# Altium PCB Simulation.PcbDoc (part 1 of 3)
Units mil, origin at the board's own origin, x right, y up, seen from the top; angles counter-clockwise.
Board outline 4400 x 4255 mil, 4 copper layers (Top Layer, Internal Plane 1, Internal Plane 2, Bottom Layer), stack 18.2 mil thick; 378 components, 286 nets, 1122 pads, 110 vias.
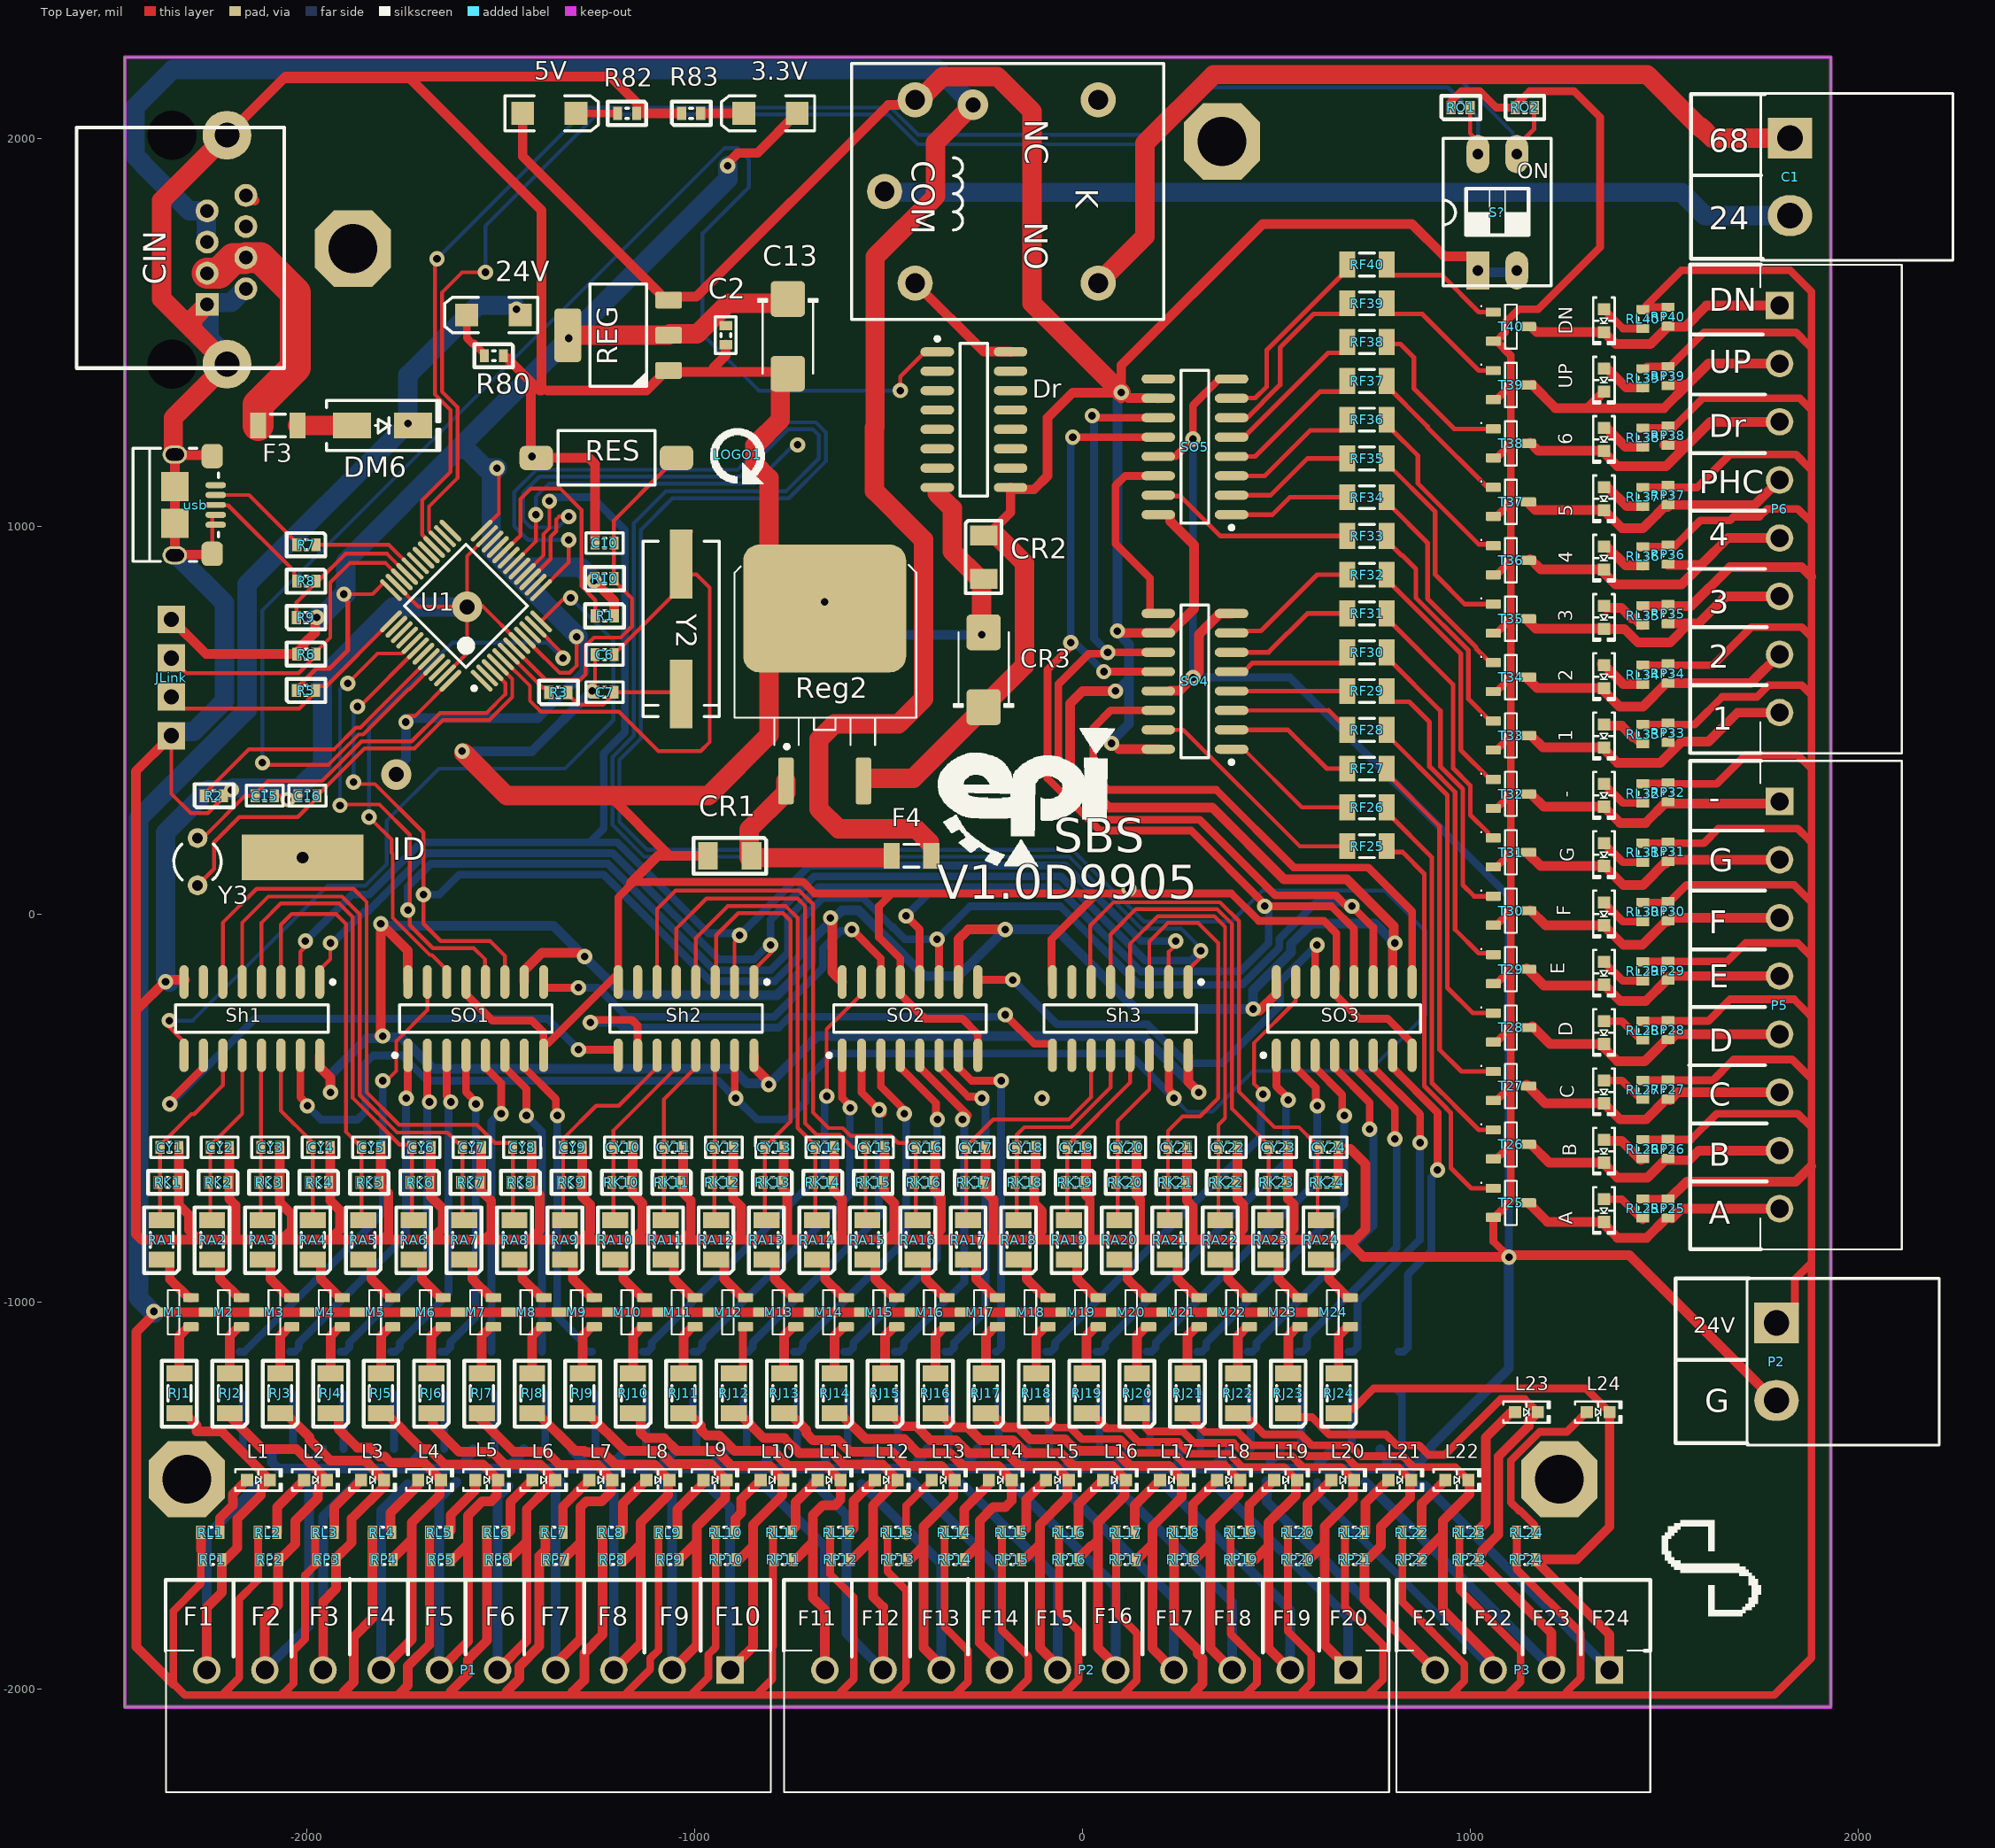
[diagram p0: Top Layer view]
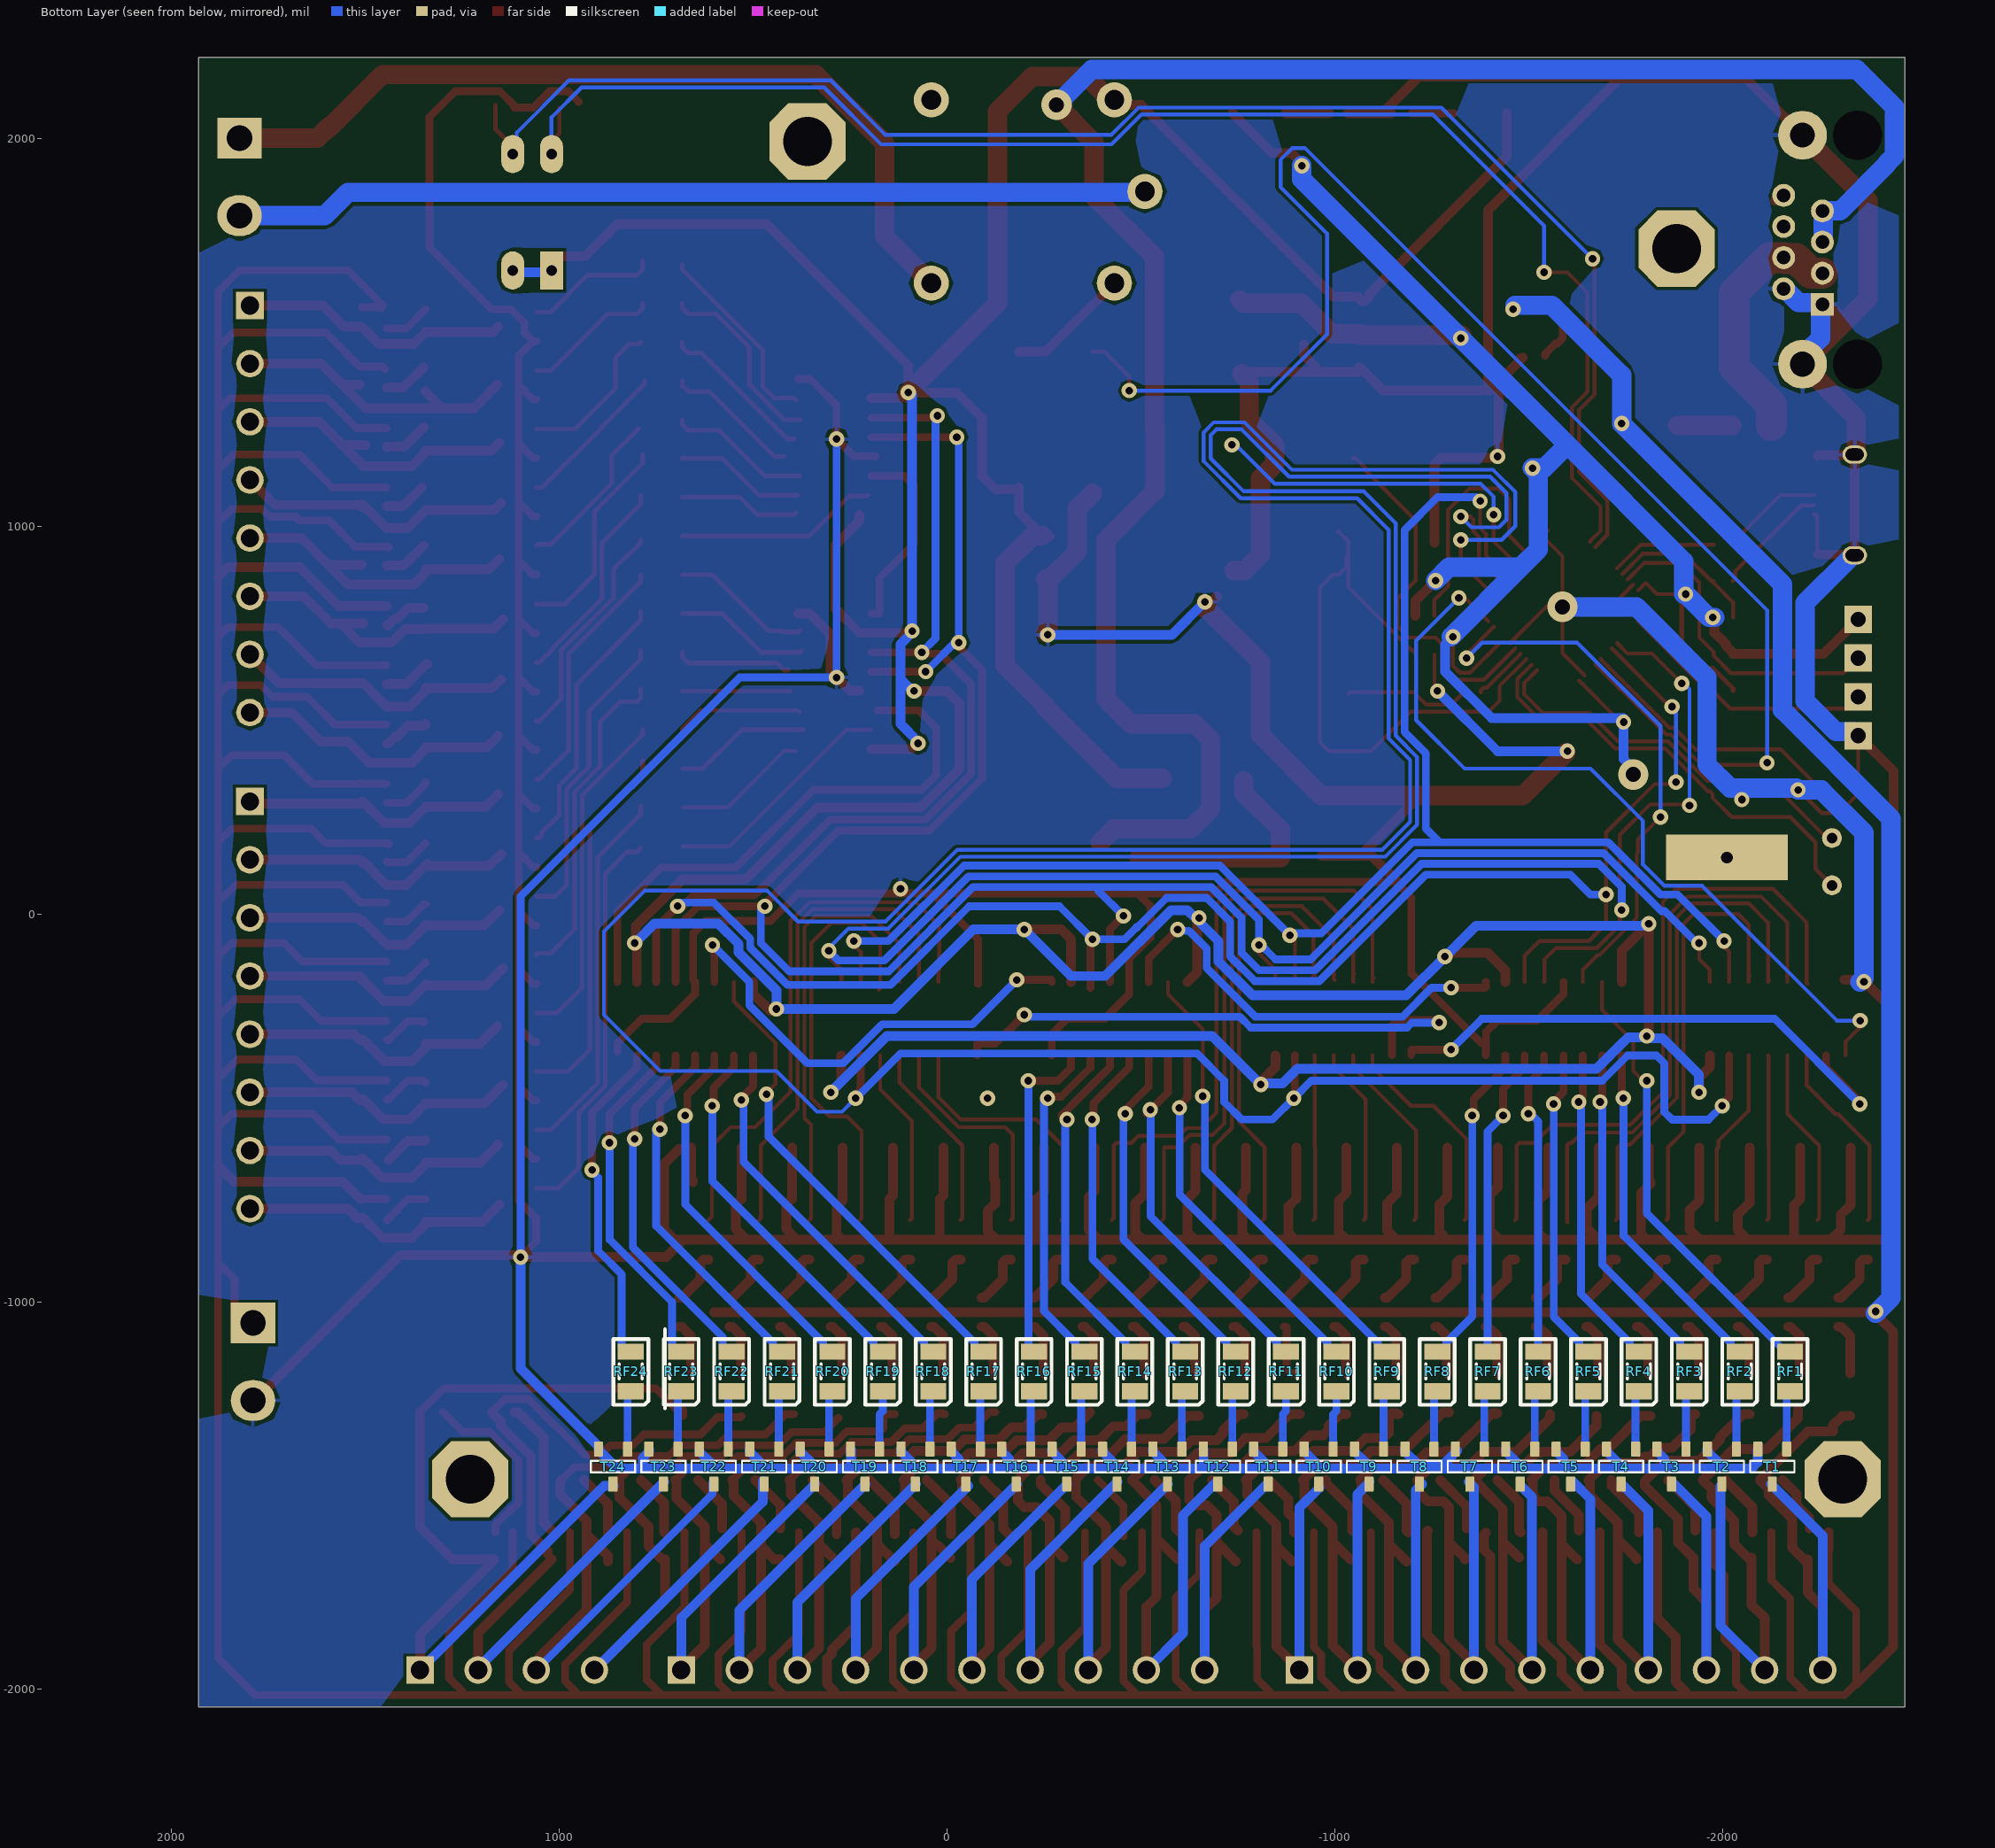
[diagram p1: Bottom Layer view, seen from below]
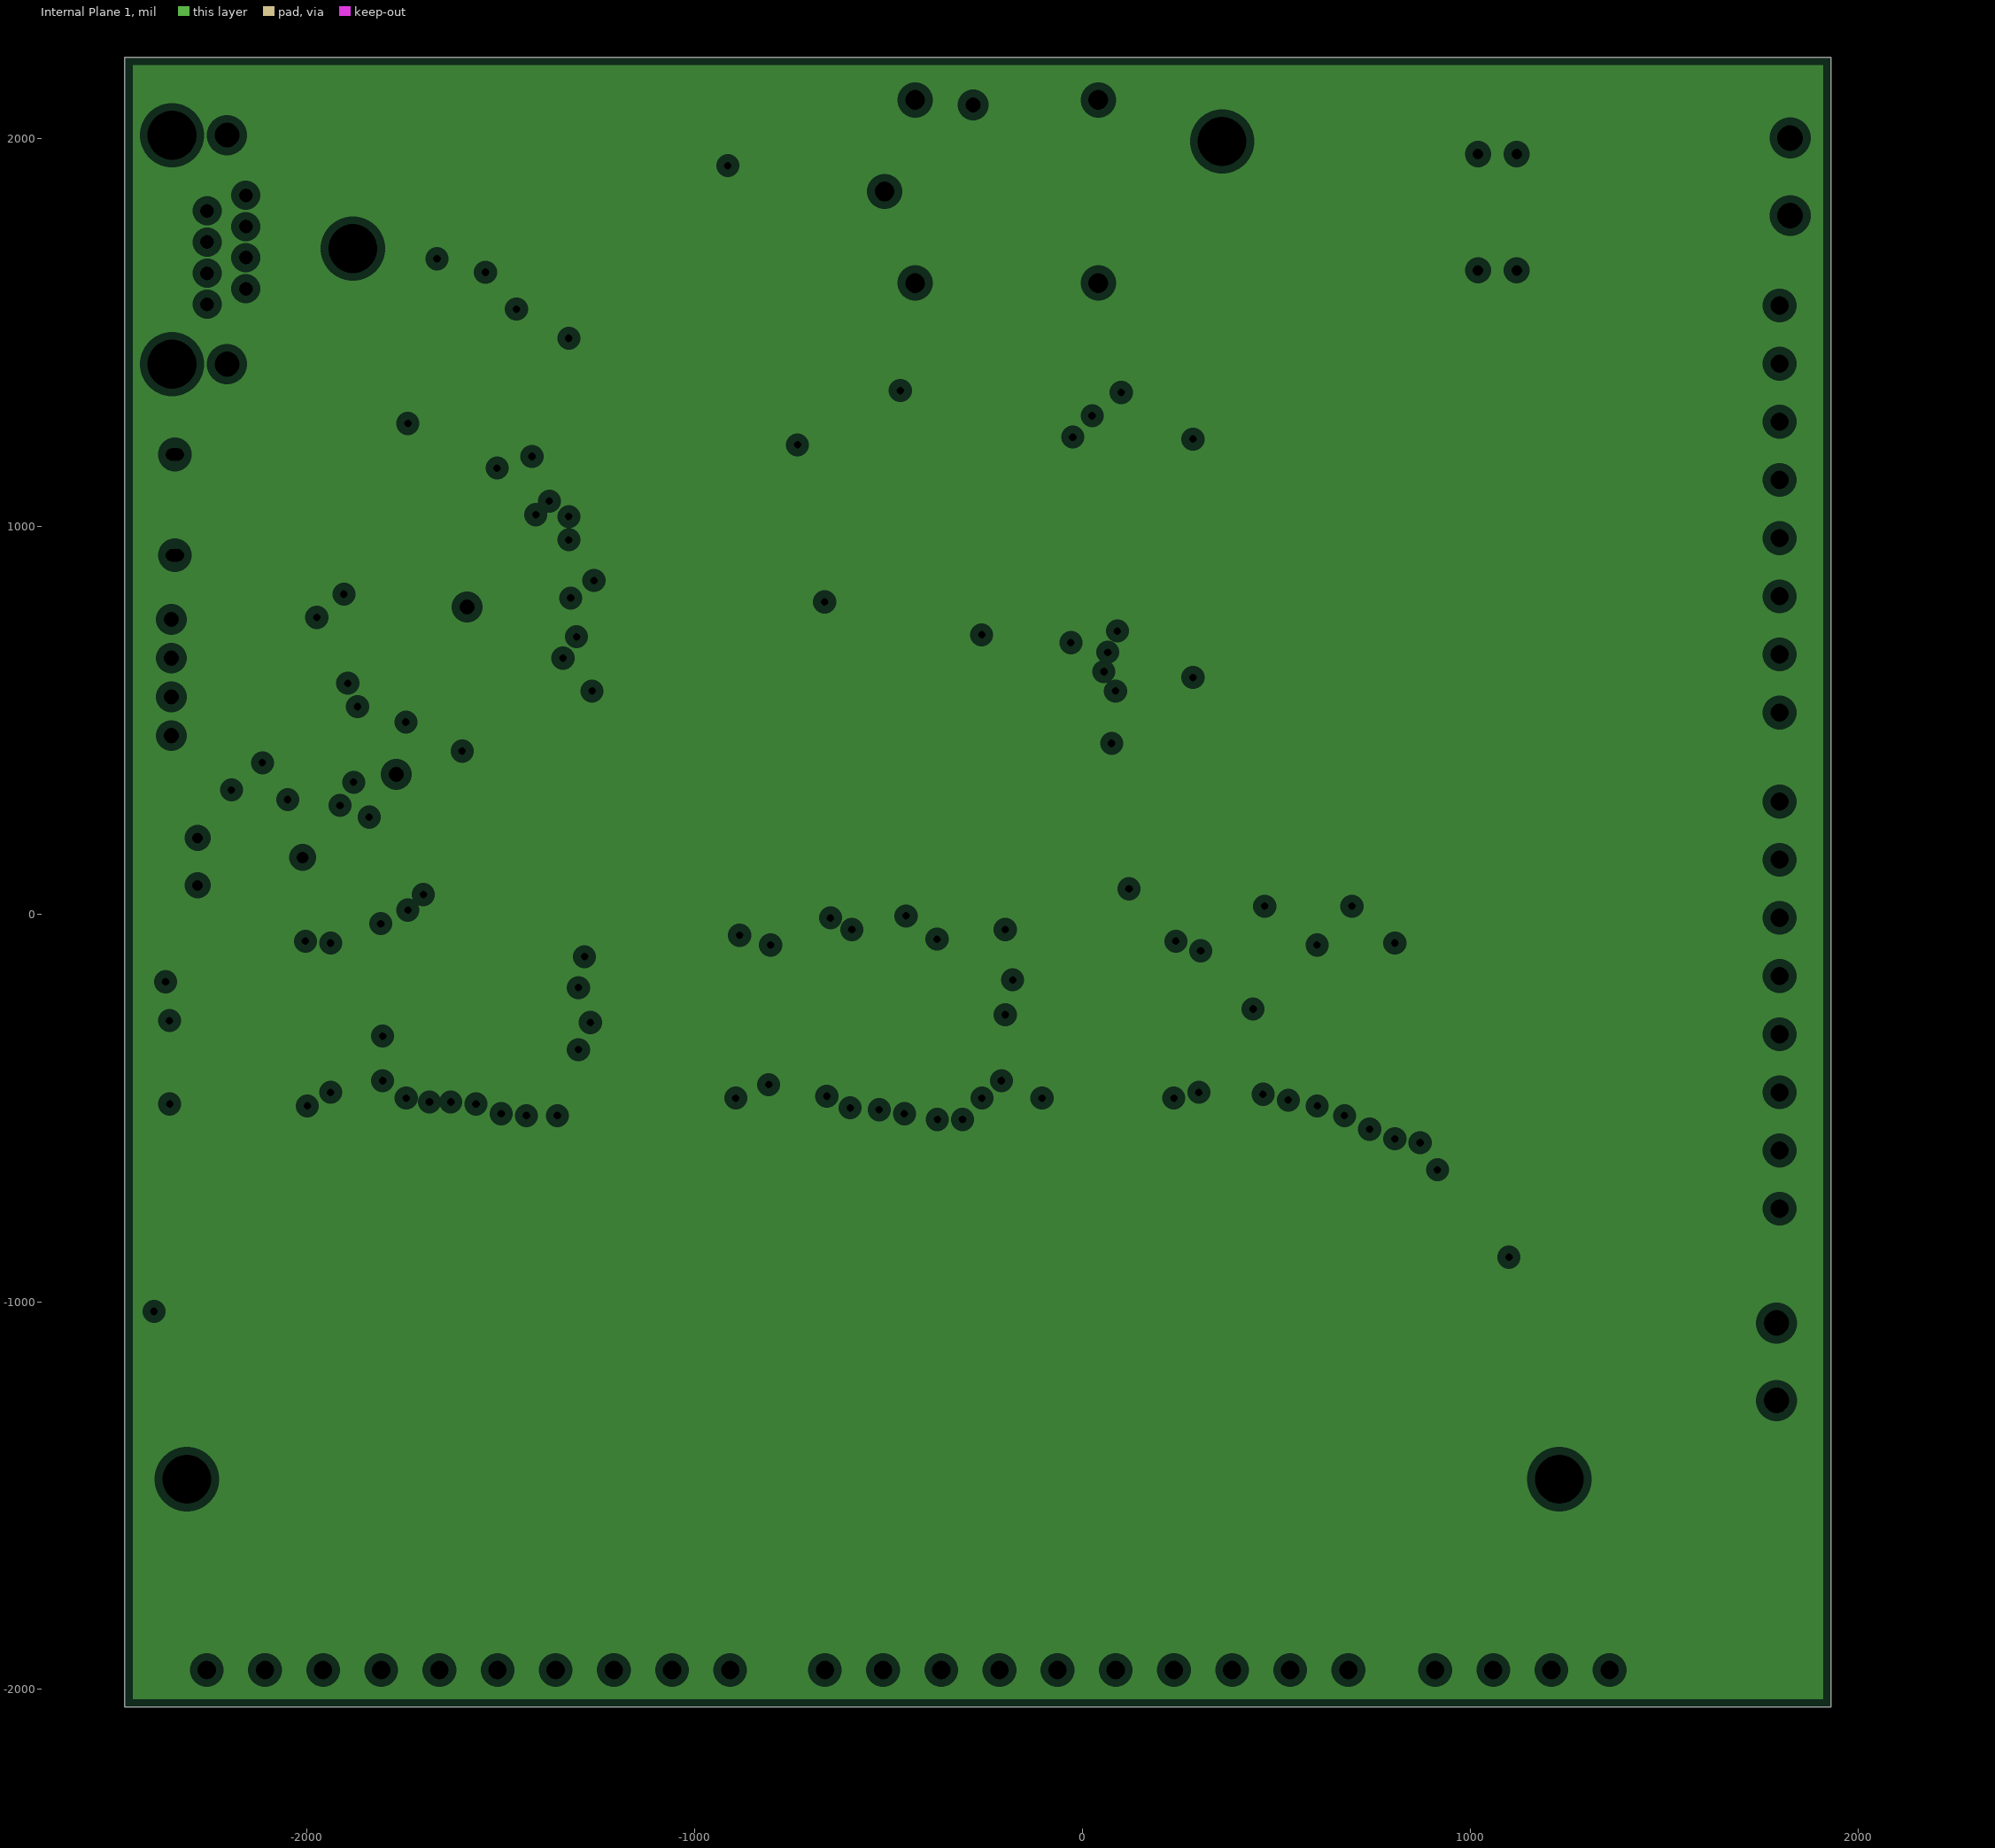
[diagram p2: Internal Plane 1, clearances drawn from the general rule]
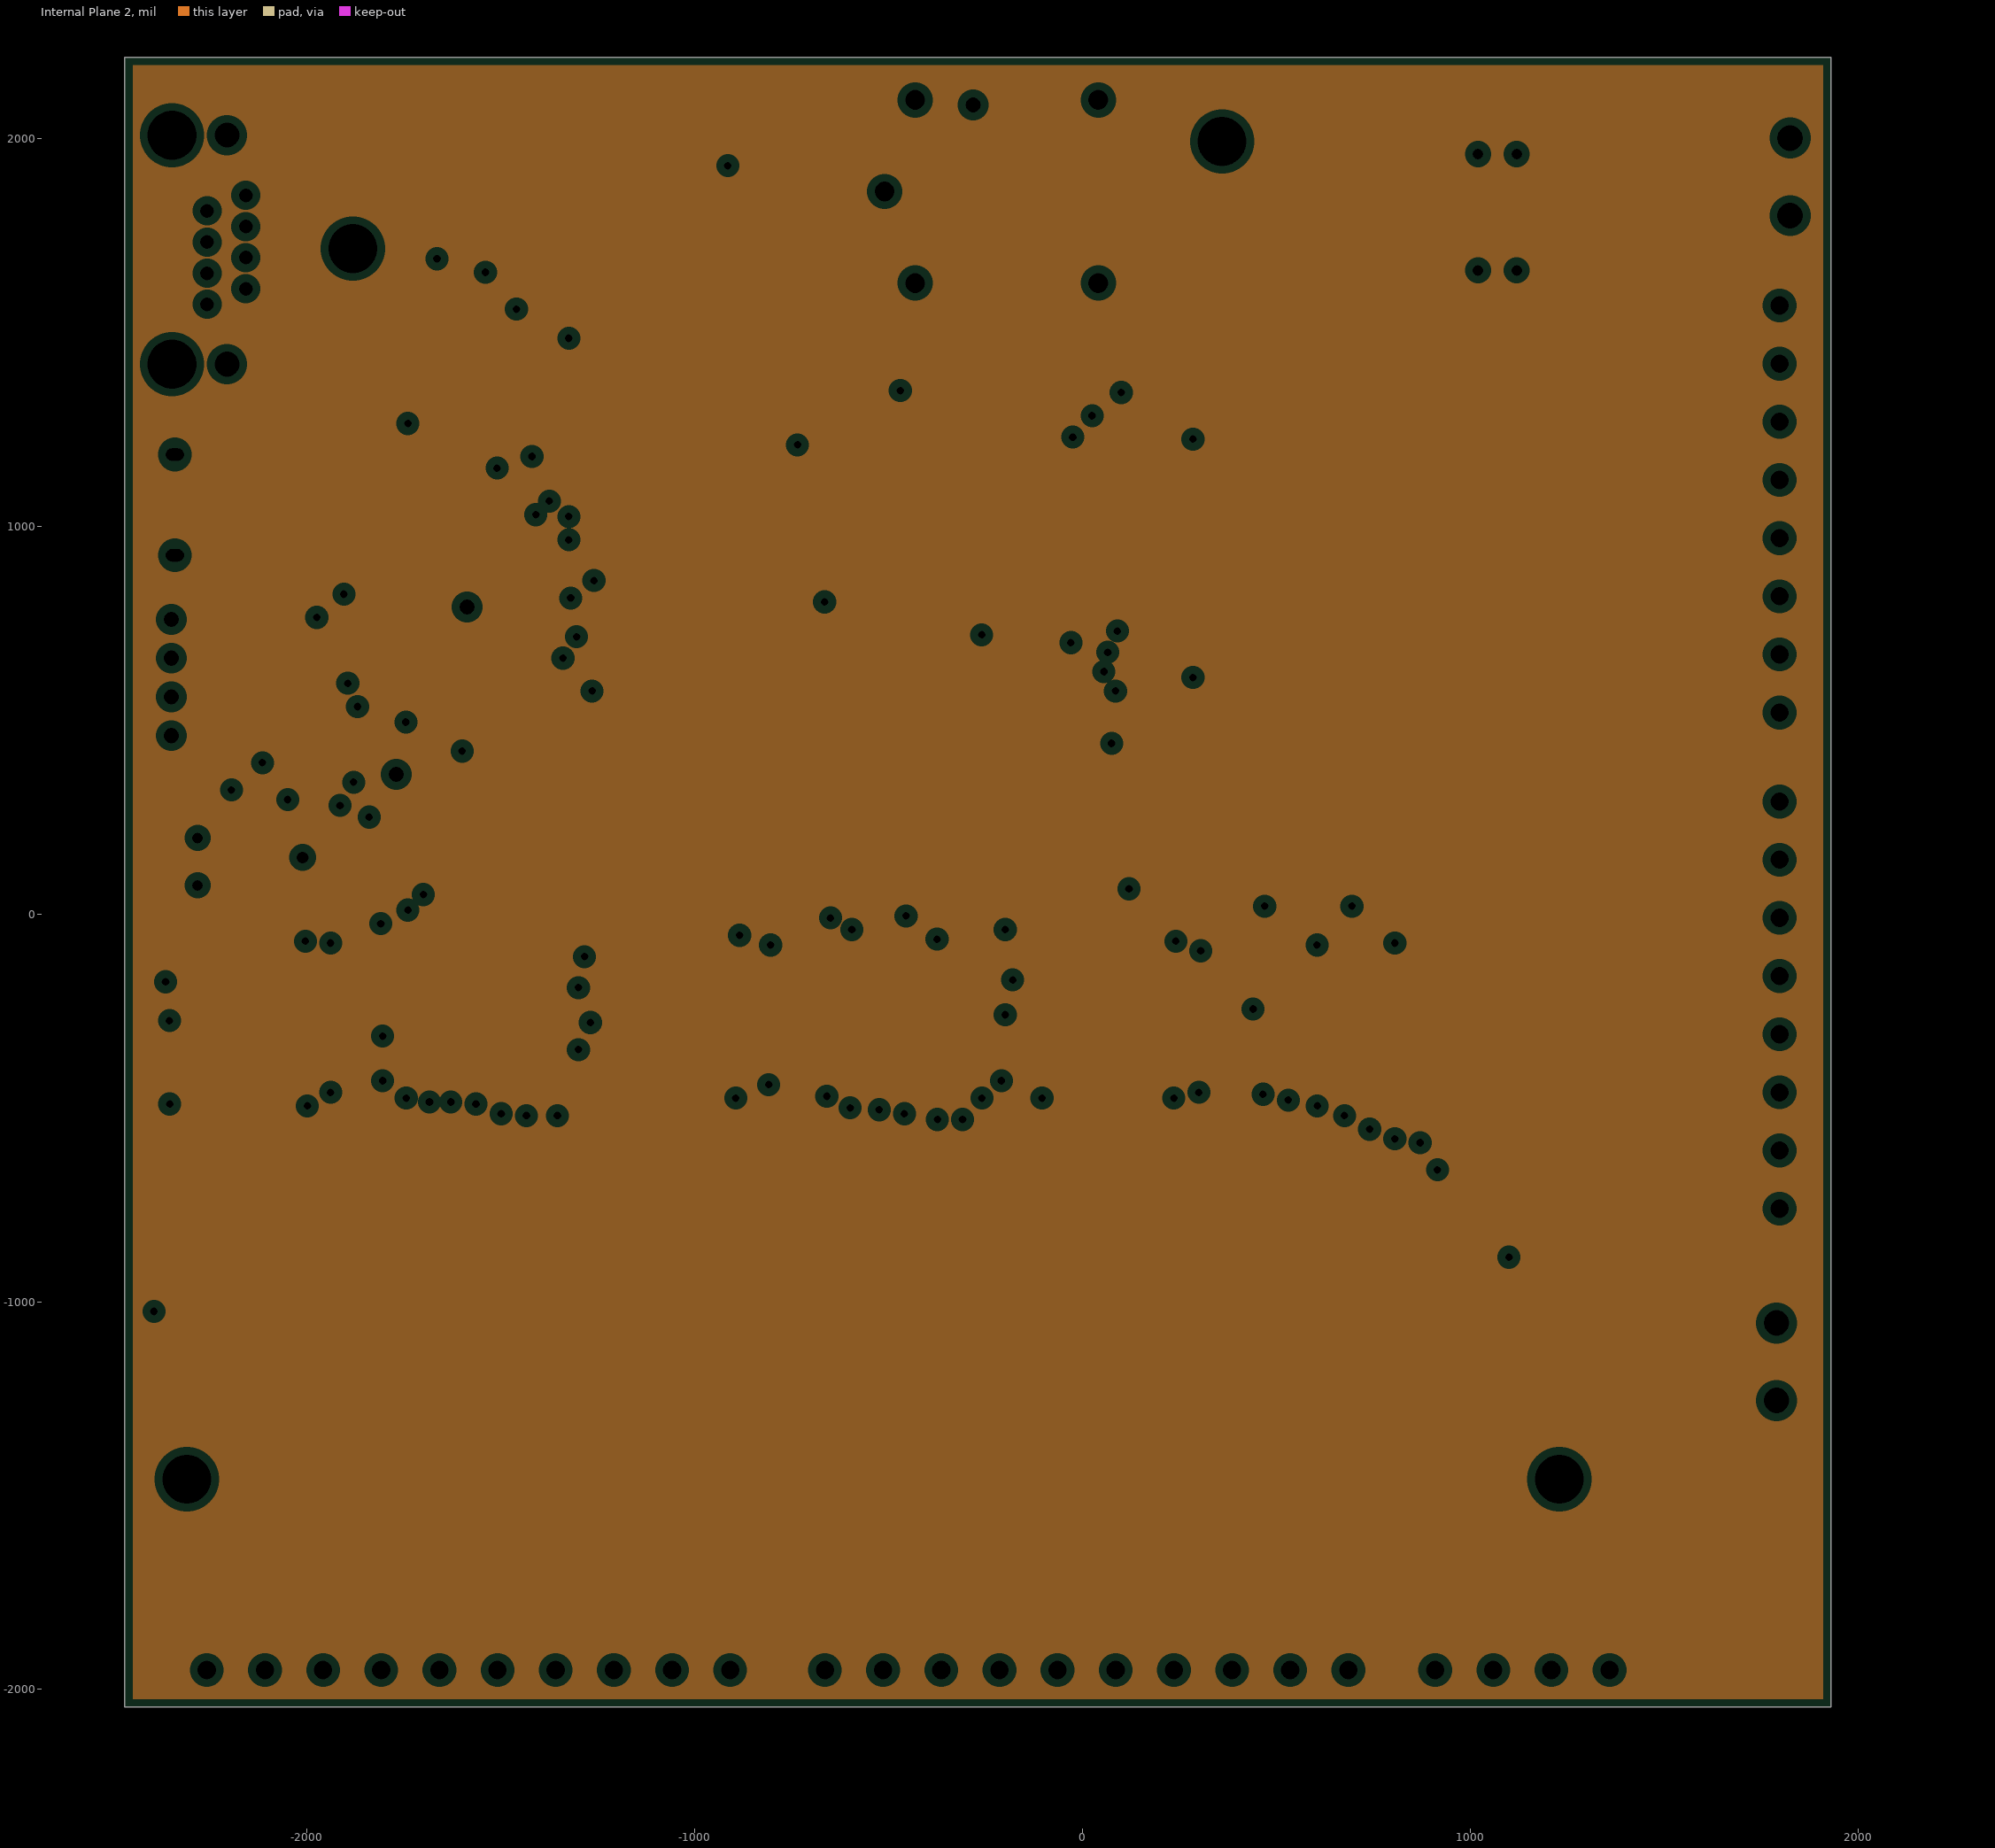
[diagram p3: Internal Plane 2, clearances drawn from the general rule]

## Layer stack, top to bottom
Top Solder: solder mask 0.4, Solder Resist, Dk 3.5
Top Layer: signal copper 1.4
Internal Plane 1: plane copper 1.4
Internal Plane 2: plane copper 1.4
Dielectric 1: dielectric 12.6, FR-4, Dk 4.8
Bottom Layer: signal copper 1.4
Bottom Solder: solder mask 0.4, Solder Resist, Dk 3.5

## Board outline
-2470,-2045 -2470,2210 1930,2210 1930,-2045

## Design rules (kind name [scope] priority, off if disabled: settings)
Clearance [All] p1: gap=7.87 ignorepadtopadclearanceinfootprint=FALSE except(0: Arc-Hole Track-Hole SMDPad-Hole THPad-Hole Via-Hole Fill-Hole Poly-Hole Region-Hole Text-Hole)
HoleSize [All] p1: absolutevalues=TRUE maxlimit=200 minlimit=1 maxpercent=80.000 minpercent=20.000
MinimumSolderMaskSliver [All] p1 off: minsoldermaskwidth=10
PlaneClearance [All] p1: clearance=20
PlaneConnect [All] p1: planeconnectstyle=Relief reliefexpansion=20 reliefentries=4 reliefconductorwidth=10 reliefairgap=10
PolygonConnect [All] p1: connectstyle=Relief reliefconductorwidth=10 reliefentries=4 polygonreliefangle="90 Angle" airgapwidth=10
RoomDefinition "Power 5V" [InComponentClass('Power 5V')] p1: confinementstyle=ConfineOut formatcopy=TRUE lockcomponents=FALSE outline 2820.55,3875 2285,3875 2285,3205 2820.55,3205
RoomDefinition "Power 3.3V" [InComponentClass('Power 3.3V')] p2: confinementstyle=ConfineOut formatcopy=TRUE lockcomponents=FALSE outline -3865,3460 -3865,2195 -2795,2195 -2795,3460
RoomDefinition "Shift Out" [InComponentClass('Shift Out')] p3: confinementstyle=ConfineOut formatcopy=TRUE lockcomponents=FALSE outline -4555,-1005 -3380,-1005 -3380,-40 -4555,-40
RoomDefinition "Mosfet Input" [InComponentClass('Mosfet Input')] p4: confinementstyle=ConfineOut formatcopy=TRUE lockcomponents=FALSE outline 4345,-1756.26 7085,-1756.26 7085,-441.26 4345,-441.26
RoomDefinition MCU [InComponentClass('MCU')] p5: confinementstyle=ConfineOut formatcopy=TRUE lockcomponents=FALSE outline -145,2255 -145,2665 -2330.5,2665 -2330.5,2255
RoomDefinition "Input Connector" [InComponentClass('Input Connector')] p6: confinementstyle=ConfineOut formatcopy=TRUE lockcomponents=FALSE outline 3400,2450 4565,2450 4565,3570 3400,3570
RoomDefinition "Data Input Memory" [InComponentClass('Data Input Memory')] p7: confinementstyle=ConfineOut formatcopy=TRUE lockcomponents=FALSE outline 3250,-460 4185,-460 4185,-20 3250,-20
RoomDefinition Config [InComponentClass('Config')] p8: confinementstyle=ConfineOut formatcopy=TRUE lockcomponents=FALSE outline -2305,2885 -410,2885 -410,4500 -2305,4500
RoomDefinition Actuator [InComponentClass('Actuator')] p9: confinementstyle=ConfineOut formatcopy=TRUE lockcomponents=FALSE outline -3285,-1690 -5200,-1690 -5200,-2205 -3285,-2205
RoutingVias [All] p1: holewidth=23.62 width=39.37 viastyle="Through Hole" minholewidth=19.68 minwidth=30 maxholewidth=43.31 maxwidth=82.68
SilkToBoardRegionClearance [All] p1 off:
SilkToSolderMaskClearance [IsPad] p1 off: minsilkscreentomaskgap=1 clearancetoexposedcopper=TRUE
SolderMaskExpansion [All] p1: expansion=4
Width [All] p1: maxlimit=100 minlimit=10 preferedwidth=10 minimp=50.000000 maximp=50.000000 favimp=50.000000
24 further rules are at their usual default settings.
